# KiCad board EVT-PCB.kicad_pcb
title: EVT-PCB; date: 2024-04-17; company: MQuero
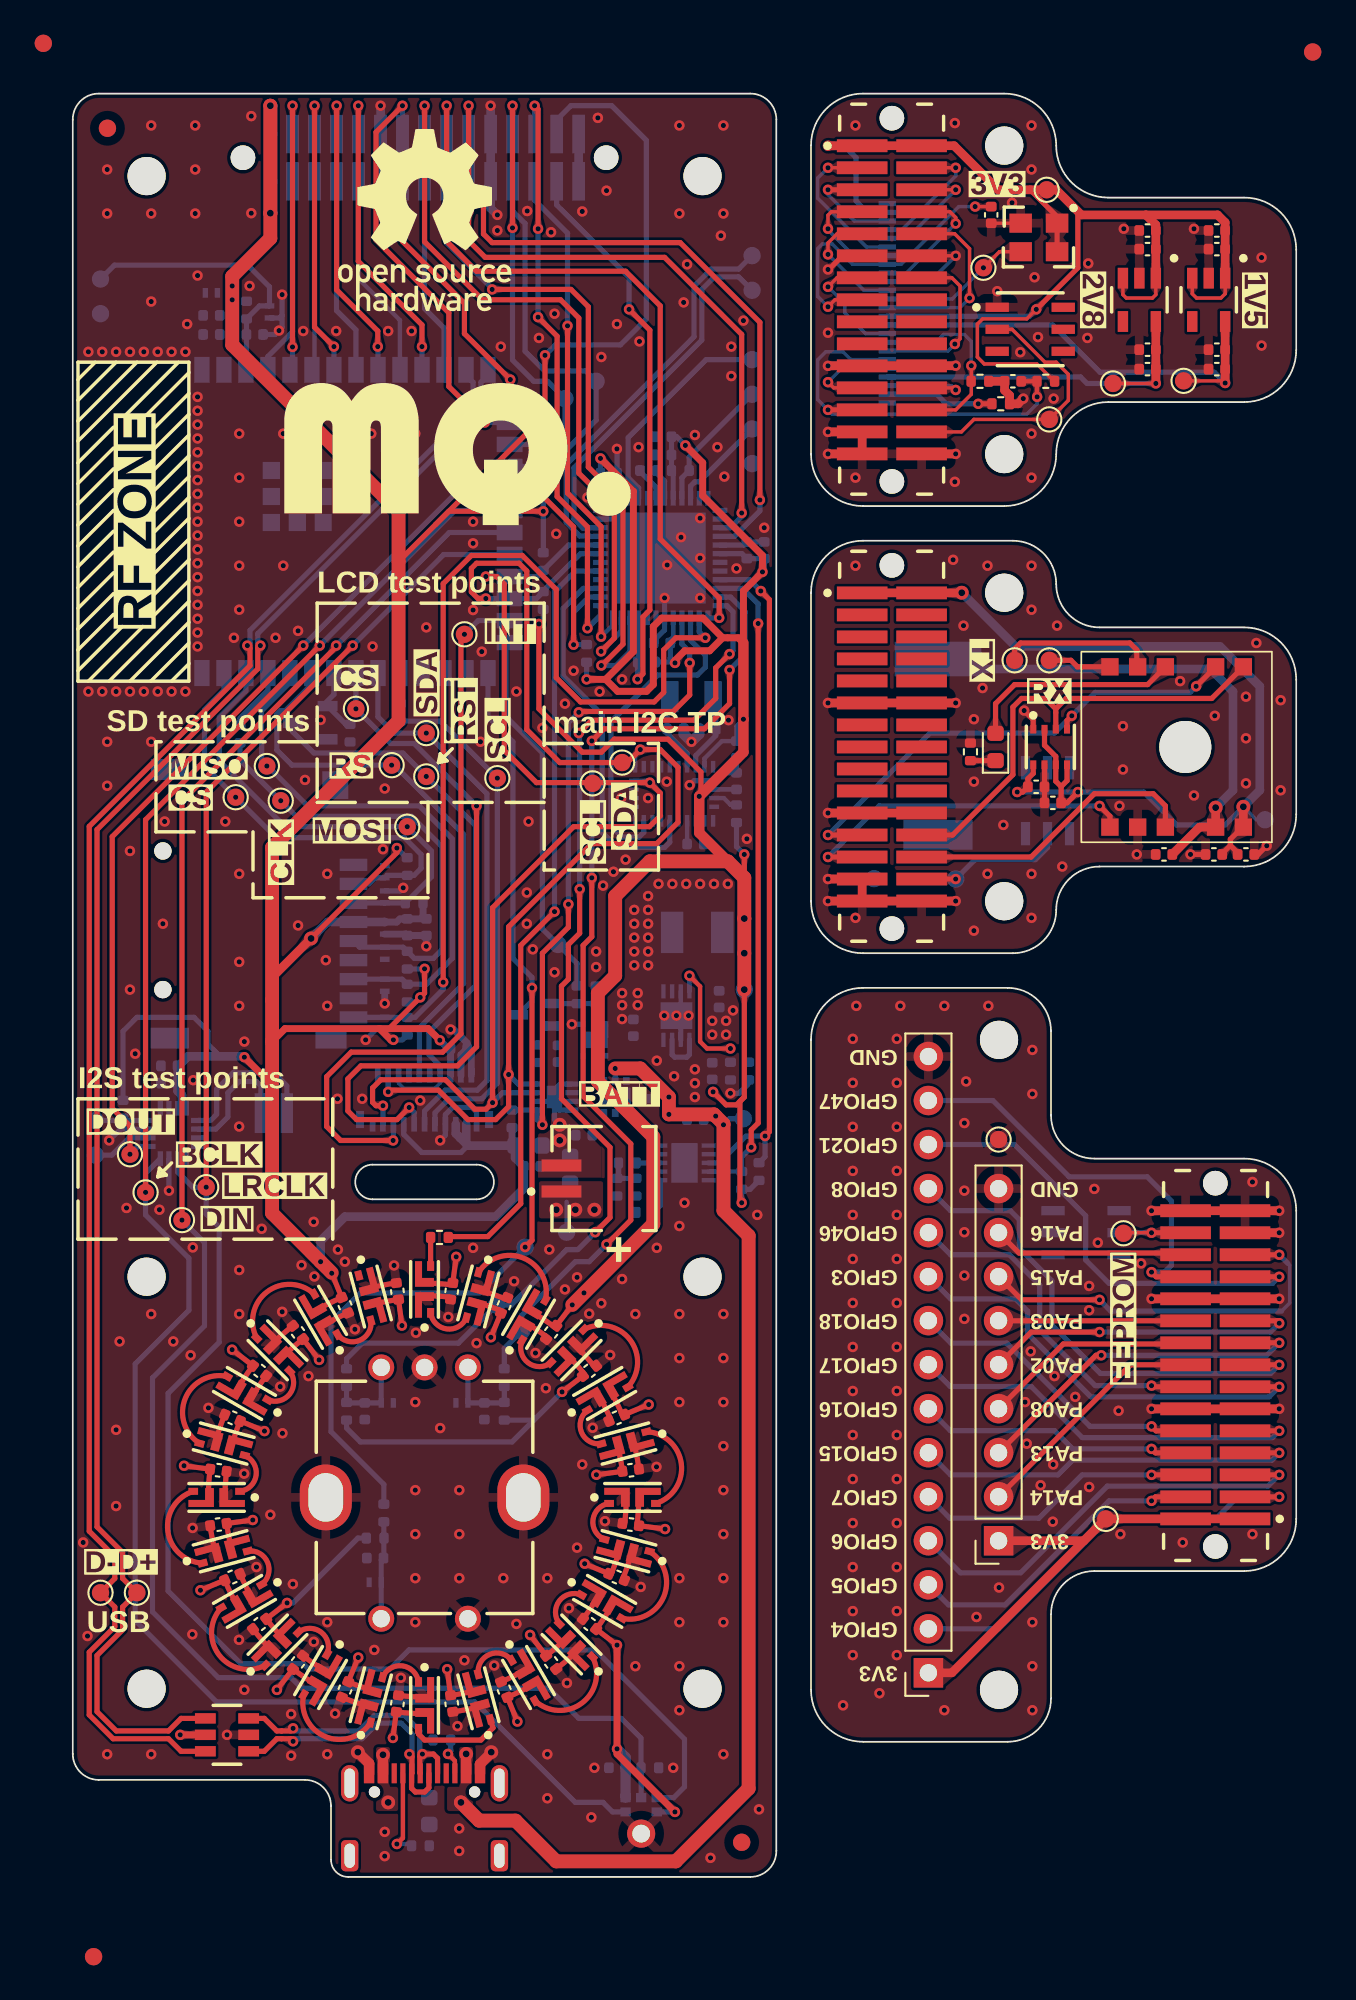
[diagram p0: board, top side]
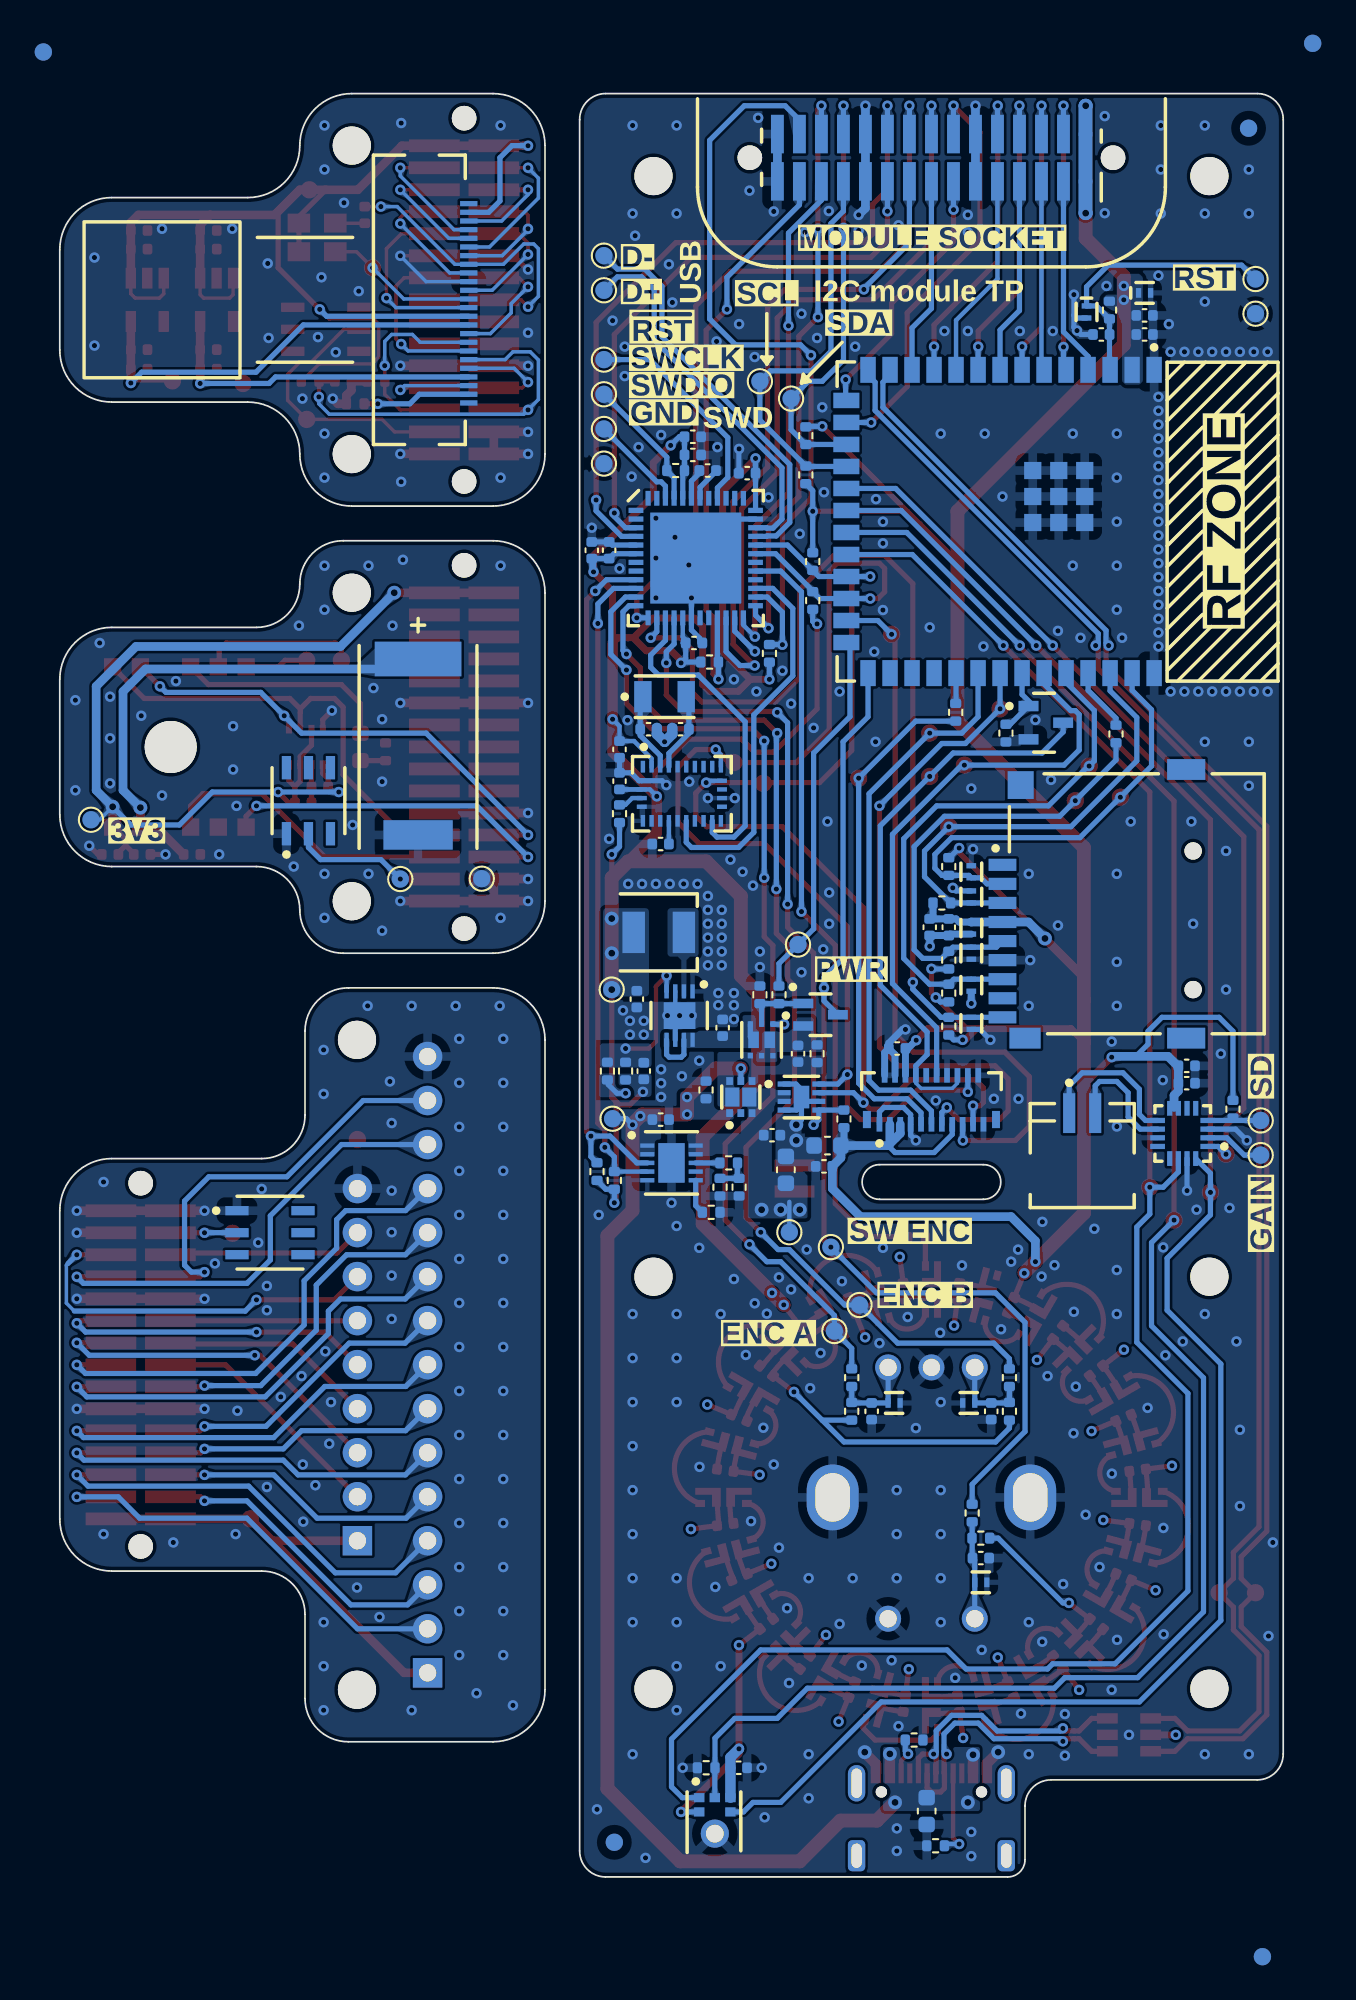
[diagram p1: board, bottom side, seen from below]

Outline 70.6 x 102.9 mm; copper layers: Top, In1.Cu, In2.Cu, Bottom. Coordinates in mm from the lower left corner of the outline.
Outline path: 0,101.4 0,7.1 arc(0.44,6.04) 1.5,5.6 13.4,5.6 arc(14.46,5.16) 14.9,4.1 14.9,1 arc(15.19,0.29) 15.9,0 39.1,0 arc(40.16,0.44) 40.6,1.5 40.6,101.4 arc(40.16,102.46) 39.1,102.9 1.5,102.9 arc(0.44,102.46) 0,101.4 ; 17.3,39.1 arc(16.3,40.1) 17.3,41.1 23.3,41.1 arc(24.3,40.1) 23.3,39.1 17.3,39.1 ; 42.6,99.9 42.6,82.1 arc(43.48,79.98) 45.6,79.1 53.75,79.1 arc(55.87,79.98) 56.75,82.1 arc(57.63,84.22) 59.75,85.1 67.6,85.1 arc(69.72,85.98) 70.6,88.1 70.6,93.9 arc(69.72,96.02) 67.6,96.9 59.75,96.9 arc(57.63,97.78) 56.75,99.9 arc(55.87,102.02) 53.75,102.9 45.6,102.9 arc(43.48,102.02) 42.6,99.9 ; 42.6,74.1 42.6,56.3 arc(43.48,54.18) 45.6,53.3 54.25,53.3 arc(56.02,54.03) 56.75,55.8 arc(57.48,57.57) 59.25,58.3 67.6,58.3 arc(69.72,59.18) 70.6,61.3 70.6,69.1 arc(69.72,71.22) 67.6,72.1 59.25,72.1 arc(57.48,72.83) 56.75,74.6 arc(56.02,76.37) 54.25,77.1 45.6,77.1 arc(43.48,76.22) 42.6,74.1 ; 42.6,48.3 42.6,10.8 arc(43.48,8.68) 45.6,7.8 53.95,7.8 arc(55.72,8.53) 56.45,10.3 56.45,15.15 arc(57.18,16.92) 58.95,17.65 67.6,17.65 arc(69.72,18.53) 70.6,20.65 70.6,38.45 arc(69.72,40.57) 67.6,41.45 58.95,41.45 arc(57.18,42.18) 56.45,43.95 56.45,48.8 arc(55.72,50.57) 53.95,51.3 45.6,51.3 arc(43.48,50.42) 42.6,48.3
Stack: Top 0.035mm / dielectric 0.196mm PP-7628 er 4.56 / In1.Cu 0.035mm / dielectric 1.03mm Core er 4.6 / In2.Cu 0.035mm / dielectric 0.196mm PP-7628 er 4.56 / Bottom 0.035mm

## Placement (name value [footprint] x y rotation side)
C201  10u  [C_0402_1005Metric]  8 90.1 180 bottom
C202  100n  [C_0402_1005Metric]  8 89 180 bottom
C203  1u  [C_0402_1005Metric]  10.5 89 0 bottom
C301  22u  [C_0603_1608Metric]  20.57 3.8 270 bottom
C302  15p  [C_0402_1005Metric]  36.9 46.5 90 bottom
C303  10u  [C_0402_1005Metric]  37.3 50.65 270 bottom
C304  10u  [C_0402_1005Metric]  32.35 49 90 bottom
C305  100n  [C_0402_1005Metric]  28 47.5 90 bottom
C401  100n  [C_0402_1005Metric]  29.5 42.8 180 bottom
C402  1u  [C_0402_1005Metric]  35.92 43.7 180 bottom
C403  22u  [C_0603_1608Metric]  28.7 40.8 90 bottom
C501  10u  [C_0402_1005Metric]  39.9 76.55 90 bottom
C502  100n  [C_0402_1005Metric]  38.9 76.55 90 bottom
C503  1u  [C_0402_1005Metric]  17.45 18.4 180 bottom
C504  100n  [C_0402_1005Metric]  21.87 33.8 262.5 top
C505  100n  [C_0402_1005Metric]  24.89 32.99 67.5 top
C506  100n  [C_0402_1005Metric]  27.61 31.42 232.5 top
C507  100n  [C_0402_1005Metric]  29.82 29.21 37.5 top
C508  100n  [C_0402_1005Metric]  31.39 26.49 202.5 top
C509  100n  [C_0402_1005Metric]  32.2 23.47 7.5 top
C510  100n  [C_0402_1005Metric]  32.2 20.33 172.5 top
C511  100n  [C_0402_1005Metric]  31.39 17.31 337.5 top
C512  100n  [C_0402_1005Metric]  29.82 14.59 142.5 top
C513  100n  [C_0402_1005Metric]  27.61 12.38 307.5 top
C514  100n  [C_0402_1005Metric]  24.89 10.81 112.5 top
C515  100n  [C_0402_1005Metric]  21.87 10 277.5 top
C516  100n  [C_0402_1005Metric]  18.73 10 82.5 top
C517  100n  [C_0402_1005Metric]  15.71 10.81 247.5 top
C518  100n  [C_0402_1005Metric]  12.99 12.38 52.5 top
C519  100n  [C_0402_1005Metric]  10.78 14.59 217.5 top
C520  100n  [C_0402_1005Metric]  9.21 17.31 22.5 top
C521  100n  [C_0402_1005Metric]  8.4 20.33 187.5 top
C522  100n  [C_0402_1005Metric]  8.4 23.47 352.5 top
C523  100n  [C_0402_1005Metric]  9.21 26.49 157.5 top
C524  100n  [C_0402_1005Metric]  10.78 29.21 322.5 top
C525  100n  [C_0402_1005Metric]  12.99 31.42 127.5 top
C526  100n  [C_0402_1005Metric]  15.71 32.99 292.5 top
C527  100n  [C_0402_1005Metric]  18.73 33.8 97.5 top
C528  1u  [C_0402_1005Metric]  33.21 81.15 180 bottom
C529  100n  [C_0402_1005Metric]  30.93 81 0 bottom
C530  100n  [C_0402_1005Metric]  34.07 82.05 180 bottom
C531  10u  [C_0402_1005Metric]  34.07 83.1 180 bottom
C532  100n  [C_0402_1005Metric]  34 71.2 180 bottom
C533  10n  [C_0402_1005Metric]  16.85 26.87 270 bottom
C534  10n  [C_0402_1005Metric]  23.75 26.87 270 bottom
C601  100n  [C_0402_1005Metric]  31.42 6.3 180 bottom
C701  22u  [C_0603_1608Metric]  26.3 42.2 0 bottom
C703  10u  [C_0402_1005Metric]  22.28 47.8 0 bottom
C705  10u  [C_0402_1005Metric]  26.5 41 0 bottom
C801  100n  [C_0402_1005Metric]  35.93 59.6 0 bottom
C802  100n  [C_0402_1005Metric]  38.3 65.06 270 bottom
C803  100n  [C_0402_1005Metric]  38.3 63.23 90 bottom
C804  22p  [C_0402_1005Metric]  36.62 66.22 180 bottom
C805  22p  [C_0402_1005Metric]  34.77 66.22 0 bottom
C901  10u  [C_0402_1005Metric]  20.4 54.8 270 bottom
C902  100n  [C_0402_1005Metric]  19.3 54.8 270 bottom
C1001  10u  [C_0402_1005Metric]  5.57 46.8 180 bottom
C1002  100n  [C_0402_1005Metric]  5.57 45.8 180 bottom
C1101  22p  [C_0402_1005Metric]  53 95.9 270 top
C1102  1u  [C_0402_1005Metric]  62.02 95 180 top
C1103  100n  [C_0402_1005Metric]  62.02 93.92 180 top
C1104  100n  [C_0402_1005Metric]  62.02 88.12 180 top
C1105  1u  [C_0402_1005Metric]  62.02 87 180 top
C1106  100n  [C_0402_1005Metric]  54.25 86.3 180 top
C1107  1u  [C_0402_1005Metric]  66.02 95 180 top
C1108  100n  [C_0402_1005Metric]  66.02 93.92 180 top
C1109  100n  [C_0402_1005Metric]  66.02 88.12 180 top
C1110  1u  [C_0402_1005Metric]  66.02 87 180 top
C1201  10u  [C_0402_1005Metric]  67.7 59 0 top
C1202  100n  [C_0402_1005Metric]  65.85 59 180 top
C1203  1u  [C_0402_1005Metric]  62.97 59 180 top
C1204  -  [DSK-3R3H224U-HL]  49.92 65.2 180 bottom
C1205  100n  [C_0402_1005Metric]  55.59 62.9 0 top
C1206  100n  [C_0402_1005Metric]  56.55 61.97 180 top
D201  -  [DESD3V3S1BL-7B]  8 91.4 180 bottom
D202  -  [DESD3V3S1BL-7B]  11.35 90.3 270 bottom
D301  -  [USBLC6-2SC6]  8.9 8.2 180 top
D302  -  [BAT54CWT1G]  26.7 49.75 180 bottom
D501  -  [SK68XX-EC3210F]  20.3 33.9 90 top
D502  -  [SK68XX-EC3210F]  23.41 33.49 255 top
D503  -  [SK68XX-EC3210F]  26.3 32.29 60 top
D504  -  [SK68XX-EC3210F]  28.79 30.39 225 top
D505  -  [SK68XX-EC3210F]  30.69 27.9 30 top
D506  -  [SK68XX-EC3210F]  31.89 25.01 195 top
D507  -  [SK68XX-EC3210F]  32.3 21.9 0 top
D508  -  [SK68XX-EC3210F]  31.89 18.79 165 top
D509  -  [SK68XX-EC3210F]  30.69 15.9 330 top
D510  -  [SK68XX-EC3210F]  28.79 13.41 135 top
D511  -  [SK68XX-EC3210F]  26.3 11.51 300 top
D512  -  [SK68XX-EC3210F]  23.41 10.31 105 top
D513  -  [SK68XX-EC3210F]  20.3 9.9 270 top
D514  -  [SK68XX-EC3210F]  17.19 10.31 75 top
D515  -  [SK68XX-EC3210F]  14.3 11.51 240 top
D516  -  [SK68XX-EC3210F]  11.81 13.41 45 top
D517  -  [SK68XX-EC3210F]  9.91 15.9 210 top
D518  -  [SK68XX-EC3210F]  8.71 18.79 15 top
D519  -  [SK68XX-EC3210F]  8.3 21.9 180 top
D520  -  [SK68XX-EC3210F]  8.71 25.01 345 top
D521  -  [SK68XX-EC3210F]  9.91 27.9 150 top
D522  -  [SK68XX-EC3210F]  11.81 30.39 315 top
D523  -  [SK68XX-EC3210F]  14.3 32.29 120 top
D524  -  [SK68XX-EC3210F]  17.19 33.49 285 top
D525  -  [DESD3V3S1BL-7B]  22.45 27.35 180 bottom
D526  -  [DESD3V3S1BL-7B]  18.15 27.35 0 bottom
D527  -  [DESD3V3S1BL-7B]  17.45 17 180 bottom
D901  -  [DESD3V3S1BL-7B]  18 54.75 270 bottom
D902  -  [DESD3V3S1BL-7B]  18 49.25 270 bottom
D903  -  [DESD3V3S1BL-7B]  18 53.3 270 bottom
D904  -  [DESD3V3S1BL-7B]  18 56.55 90 bottom
D905  -  [DESD3V3S1BL-7B]  18 51.45 270 bottom
D906  -  [DESD3V3S1BL-7B]  18 58 90 bottom
D1201  LED  [LED_0603_1608Metric]  53.25 65.2 90 top
E501  -  [PEC11R-4215F-S0024]  20.3 21.9 180 top
FID101  Fiducial  [Fiducial_1mm_Mask2mm]  -1.7 105.8 0 top
FID102  Fiducial  [Fiducial_1mm_Mask2mm]  71.55 105.3 0 top
FID103  Fiducial  [Fiducial_1mm_Mask2mm]  -1.7 105.8 180 bottom
FID104  Fiducial  [Fiducial_1mm_Mask2mm]  2 100.9 0 top
FID105  Fiducial  [Fiducial_1mm_Mask2mm]  38.6 2 0 top
FID106  Fiducial  [Fiducial_1mm_Mask2mm]  71.55 105.3 180 bottom
FID107  Fiducial  [Fiducial_1mm_Mask2mm]  1.2 -4.6 0 top
FID108  Fiducial  [Fiducial_1mm_Mask2mm]  1.2 -4.6 180 bottom
FID109  Fiducial  [Fiducial_1mm_Mask2mm]  2 100.9 180 bottom
FID110  Fiducial  [Fiducial_1mm_Mask2mm]  38.6 2 180 bottom
G***  -  [LOGO]  22.2 82.1 0 top
G***#2  -  [LOGO]  20.3 95.6 0 top
H101  MountingHole  [MountingHole_2.2mm_M2]  4.26 98.14 0 top
H102  MountingHole  [MountingHole_2.2mm_M2]  36.34 98.14 0 top
H103  MountingHole  [MountingHole_2.2mm_M2]  36.34 34.63 0 top
H104  MountingHole  [MountingHole_2.2mm_M2]  36.34 10.86 0 top
H105  MountingHole  [MountingHole_2.2mm_M2]  4.26 10.86 0 top
H106  MountingHole  [MountingHole_2.2mm_M2]  4.26 34.63 0 top
H1101  MountingHole  [MountingHole_2.2mm_M2]  53.75 99.9 90 bottom
H1102  MountingHole  [MountingHole_2.2mm_M2]  53.75 82.1 90 bottom
H1201  MountingHole  [MountingHole_2.2mm_M2]  53.75 74.1 270 top
H1202  MountingHole  [MountingHole_2.2mm_M2]  53.75 56.3 270 top
H1301  MountingHole  [MountingHole_2.2mm_M2]  53.45 10.8 180 top
H1302  MountingHole  [MountingHole_2.2mm_M2]  53.45 48.3 180 top
IC501  -  [ATSAMD21G18A-MUT]  33.9 76.1 180 bottom
J101  SFC-115-T2-F-D-A-K  [SFC-115-T2-F-D-A]  20.3 99.2 180 bottom
J301  -  [USB4105-GF-A]  20.3 2.3 0 top
J401  -  [S2B-ZR-SM4A-TF]  30.65 40.3 270 top
J701  -  [2-2328724-1]  20.3 44.53 0 bottom
J901  MSD-1-A  [MSD1A]  8.7 56.15 90 bottom
J1001  -  [S2B-ZR-SM4A-TF]  11.6 41.62 0 bottom
J1101  -  [TFC-115-02-F-D-A]  47.27 91 270 top
J1201  -  [TFC-115-02-F-D-A]  47.27 65.2 270 top
J1302  Conn_01x09  [PinSocket_1x09_P2.54mm_Vertical]  53.42 19.4 180 top
J1303  -  [TFC-115-02-F-D-A]  65.93 29.55 90 top
J1304  Conn_01x15  [PinSocket_1x15_P2.54mm_Vertical]  49.38 11.78 180 top
L301  1µH  [LQH44PN1R0MPRL]  36.03 54.5 0 bottom
M601  -  [ICS-43434]  32.8 3.21 270 bottom
Q101  -  [BSS138-7-F]  13.8 66.6 180 bottom
Q301  -  [SIA527DJ-T1-GE3]  30.1 48.3 0 bottom
R101  2K2  [R_0402_1005Metric]  27.15 75.9 270 bottom
R102  2K2  [R_0402_1005Metric]  27.15 73.65 90 bottom
R103  2K2  [R_0402_1005Metric]  27.55 80.9 90 bottom
R104  2K2  [R_0402_1005Metric]  27.55 83.16 270 bottom
R105  10k  [R_0402_1005Metric]  16 66 270 bottom
R107  2k2  [R_0402_1005Metric]  29.65 70.6 90 bottom
R108  10k  [R_0402_1005Metric]  33.1 70.1 180 bottom
R109  22R  [R_0402_1005Metric]  18.9 67.2 90 bottom
R110  22R  [R_0402_1005Metric]  9.65 65.95 90 bottom
R201  10k  [R_0402_1005Metric]  10.02 90.41 270 bottom
R301  10k  [R_0402_1005Metric]  33.31 45.41 90 bottom
R302  5.1k  [R_0402_1005Metric]  21.3 7.9 180 bottom
R303  5.1k  [R_0402_1005Metric]  20.06 1.8 0 bottom
R304  220k  [R_0402_1005Metric]  37.95 46.5 90 bottom
R305  48k7  [R_0402_1005Metric]  39 46.5 270 bottom
R306  100k  [R_0402_1005Metric]  26.9 47.5 270 bottom
R308  330  [R_0402_1005Metric]  29.1 50.9 90 bottom
R309  1M  [R_0402_1005Metric]  30.2 50.9 90 bottom
R401  2k  [R_0402_1005Metric]  33.01 38.35 0 bottom
R402  10k  [R_0402_1005Metric]  25.35 43.74 90 bottom
R403  10k  [R_0402_1005Metric]  39.6 40.7 90 bottom
R404  10k  [R_0402_1005Metric]  38.6 40.19 90 bottom
R405  1k  [R_0402_1005Metric]  32 41.2 180 bottom
R406  150k  [R_0402_1005Metric]  32.5 39.8 270 bottom
R407  10k  [R_0402_1005Metric]  31.4 39.8 270 bottom
R501  1k  [R_0402_1005Metric]  35.06 81.15 0 bottom
R502  470  [R_0402_1005Metric]  21.16 36.9 180 top
R503  10k  [R_0402_1005Metric]  17.95 21 90 bottom
R504  10k  [R_0402_1005Metric]  24.9 28.81 90 bottom
R505  10k  [R_0402_1005Metric]  15.8 28.81 90 bottom
R506  10k  [R_0402_1005Metric]  17.45 19.55 180 bottom
R507  10k  [R_0402_1005Metric]  15.8 26.87 270 bottom
R508  10k  [R_0402_1005Metric]  24.9 26.87 270 bottom
R601  100k  [R_0402_1005Metric]  33.3 6.3 0 bottom
R801  10k  [R_0402_1005Metric]  38.3 61.35 90 bottom
R901  47k  [R_0402_1005Metric]  19.3 49.09 90 bottom
R902  47k  [R_0402_1005Metric]  19.3 52.9 90 bottom
R903  47k  [R_0402_1005Metric]  19.7 56.2 180 bottom
R904  47k  [R_0402_1005Metric]  19.3 51 90 bottom
R905  47k  [R_0402_1005Metric]  19.3 58.3 270 bottom
R1001  620k  [R_0402_1005Metric]  2.9 44.3 270 bottom
R1101  10k  [R_0402_1005Metric]  56.15 86.3 180 top
R1102  10k  [R_0402_1005Metric]  52.35 86.3 180 top
R1103  0  [R_0402_1005Metric]  53.55 85 180 top
R1201  330  [R_0402_1005Metric]  51.8 64.92 270 top
TP101  TestPoint  [TestPoint_Pad_D1.0mm]  30 63.1 0 top
TP102  TestPoint  [TestPoint_Pad_D1.0mm]  31.7 64.3 0 top
TP103  TestPoint  [TestPoint_Pad_D1.0mm]  30.2 86.3 180 bottom
TP104  TestPoint  [TestPoint_Pad_D1.0mm]  28.4 85.3 180 bottom
TP105  TestPoint  [TestPoint_Pad_D1.0mm]  38.75 51.2 180 bottom
TP106  TestPoint  [TestPoint_Pad_D1.0mm]  1.6 16.4 180 top
TP107  TestPoint  [TestPoint_Pad_D1.0mm]  3.7 16.4 180 top
TP108  TestPoint  [TestPoint_Pad_D1.0mm]  3.3 41.7 0 top
TP109  TestPoint  [TestPoint_Pad_D1.0mm]  4.2 39.5 0 top
TP110  TestPoint  [TestPoint_Pad_D1.0mm]  6.3 37.9 0 top
TP111  TestPoint  [TestPoint_Pad_D1.0mm]  7.7 39.8 0 top
TP112  TestPoint  [TestPoint_Pad_D1.0mm]  22.6 71.7 0 top
TP113  TestPoint  [TestPoint_Pad_D1.0mm]  28 53.8 180 bottom
TP114  TestPoint  [TestPoint_Pad_D1.0mm]  26.1 36.34 180 bottom
TP115  TestPoint  [TestPoint_Pad_D1.0mm]  24.5 63.4 0 top
TP116  TestPoint  [TestPoint_Pad_D1.0mm]  20.4 66 0 top
TP117  TestPoint  [TestPoint_Pad_D1.0mm]  16.34 67.4 0 top
TP118  TestPoint  [TestPoint_Pad_D1.0mm]  20.4 63.5 0 top
TP119  TestPoint  [TestPoint_Pad_D1.0mm]  18.4 64.15 0 top
TP120  TestPoint  [TestPoint_Pad_D1.0mm]  11.2 64.1 0 top
TP121  TestPoint  [TestPoint_Pad_D1.0mm]  9.4 62.3 0 top
TP122  TestPoint  [TestPoint_Pad_D1.0mm]  19.3 60.6 0 top
TP123  TestPoint  [TestPoint_Pad_D1.0mm]  12 62.1 0 top
TP201  TestPoint  [TestPoint_Pad_D1.0mm]  1.6 92.2 180 bottom
TP202  TestPoint  [TestPoint_Pad_D1.0mm]  1.6 90.2 180 bottom
TP301  TestPoint  [TestPoint_Pad_D1.0mm]  38.7 43.75 180 bottom
TP401  TestPoint  [TestPoint_Pad_D1.0mm]  28.5 37.2 180 bottom
TP501  TestPoint  [TestPoint_Pad_D1.0mm]  39.2 87.55 270 bottom
TP502  TestPoint  [TestPoint_Pad_D1.0mm]  39.2 93.55 180 bottom
TP503  TestPoint  [TestPoint_Pad_D1.0mm]  39.2 91.55 180 bottom
TP504  TestPoint  [TestPoint_Pad_D1.0mm]  39.2 85.55 270 bottom
TP505  TestPoint  [TestPoint_Pad_D1.0mm]  39.2 83.55 270 bottom
TP506  TestPoint  [TestPoint_Pad_D1.0mm]  25.9 31.5 180 bottom
TP507  TestPoint  [TestPoint_Pad_D1.0mm]  24.45 33 180 bottom
TP508  TestPoint  [TestPoint_Pad_D1.0mm]  39.2 81.55 180 bottom
TP1001  TestPoint  [TestPoint_Pad_D1.0mm]  1.3 41.65 270 bottom
TP1002  TestPoint  [TestPoint_Pad_D1.0mm]  1.3 43.65 270 bottom
TP1101  TestPoint  [TestPoint_Pad_D1.0mm]  60.03 86.17 0 top
TP1102  TestPoint  [TestPoint_Pad_D1.0mm]  52.55 92.85 0 top
TP1103  TestPoint  [TestPoint_Pad_D1.0mm]  64.1 86.32 0 top
TP1104  TestPoint  [TestPoint_Pad_D1.0mm]  56.2 97.35 0 top
TP1108  TestPoint  [TestPoint_Pad_D1.0mm]  56.35 84.1 0 top
TP1202  TestPoint  [TestPoint_Pad_D1.0mm]  54.35 70.2 0 top
TP1203  TestPoint  [TestPoint_Pad_D1.0mm]  56.35 70.2 0 top
TP1204  TestPoint  [TestPoint_Pad_D1.0mm]  68.8 61 180 bottom
TP1209  TestPoint  [TestPoint_Pad_D1.0mm]  46.25 57.6 180 bottom
TP1210  TestPoint  [TestPoint_Pad_D1.0mm]  50.95 57.58 180 bottom
TP1301  TestPoint  [TestPoint_Pad_D1.0mm]  59.61 20.66 180 top
TP1302  TestPoint  [TestPoint_Pad_D1.0mm]  53.42 42.55 180 top
TP1303  TestPoint  [TestPoint_Pad_D1.0mm]  60.63 37.14 180 top
U201  -  [ESP32-S3-WROOM-2]  7.45 78.21 270 bottom
U301  -  [NTLJF3117PT1G]  31.3 45 180 bottom
U302  -  [NCV6324BMTAATBG]  34.83 49.7 270 bottom
U401  -  [MAX17048G+T10]  27.8 45 180 bottom
U402  MCP73833T-FCI/MF  [MCP73833T]  35.3 41.2 180 bottom
U801  -  [BNO085]  34.7 62.5 90 bottom
U1001  -  [MAX98357AETE+T]  5.8 42.9 0 bottom
U1101  -  [TLV74328PDBVR]  61.55 91 270 top
U1102  OV5640  [FD5640]  64.7 91 90 bottom
U1103  -  [TLV74315PDBVR]  65.55 91 270 top
U1104  -  [DS28E07P+]  55.25 89.3 0 top
U1201  -  [PA1010D]  63.7 65.2 270 top
U1202  -  [BME280]  56.4 65.2 90 top
U1203  -  [DS28E07P+]  56.25 62.1 90 bottom
U1301  -  [DS28E07P+]  58.47 37.17 180 bottom
X801  9HT10-32.768KBZF-T  [9HT1032768KEZFT]  35.7 68.1 180 bottom
X1101  ASE-24.000MHZ-L-R-T  [ASE24576MHZLCT]  55.75 94.6 180 top

## Library data of the parts
C201-C203 C301 C302 C304 C305 C401-C403 C501-C534 C601 C701 C703 C705 C801-C805 C901 C902 C1001 C1002 C1101-C1110 C1201-C1203 C1205 C1206 = -: Description: Unpolarized capacitor; ki_fp_filters: C_*
C303 = -: Datasheet: https://search.murata.co.jp/Ceramy/image/img/A01X/G101/ENG/GRM188R60J106ME47-01.pdf; Description: CAP CER 10UF 6.3V X5R 0603; Part Number: GRM188R60J106ME47D; MQ PN: TFGC001
C1204 = -: Datasheet: https://mm.digikey.com/Volume0/opasdata/d220001/medias/docus/875/DS%2CDSK.pdf; Description: CAP 220MF -20% +80% 3.3V SMD; MQ PN: TFGC002
D201 D202 D525-D527 D901-D906 = -: Datasheet: https://www.diodes.com/assets/Datasheets/DESD3V3S1BL.pdf; Description: TVS DIODE 3.3VWM 7VC DFN1006-2; MQ PN: TFGD004; ki_fp_filters: X1-DFN1006-2_RH_DIO X1-DFN1006-2_RH_DIO-M X1-DFN1006-2_RH_DIO-L
D301 = -: Datasheet: https://www.st.com/content/ccc/resource/technical/document/datasheet/06/1d/48/9c/6c/20/4a/b2/CD00050750.pdf/files/CD00050750.pdf/jcr:content/translations/en.CD00050750.pdf; Description: TVS DIODE 5.25VWM 17VC SOT23-6; MQ PN: TFGD006
D302 = -: Datasheet: https://www.onsemi.com/pdf/datasheet/bat54cwt1-d.pdf; Description: DIODE ARR SCHOT 30V 200MA SC70-3; MQ PN: TFGD005
D501-D524 = -: Datasheet: https://cdn-shop.adafruit.com/product-files/4892/4892_SK68XX-EC3210F__REV.A.pdf; MQ PN: TFGD001
D1201 = -: Description: Light emitting diode; ki_fp_filters: LED* LED_SMD:* LED_THT:*
E501 = -: Datasheet: https://www.bourns.com/docs/product-datasheets/pec11r.pdf?sfvrsn=bb617cbf_12; Description: ROTARY ENCODER MECHANICAL 24PPR; MQ PN: TFGE001
FID101-FID110 = -: Description: Fiducial Marker; ki_fp_filters: Fiducial*
H101-H106 H1101 H1102 H1201 H1202 H1301 H1302 = -: Description: Mounting Hole without connection; ki_fp_filters: MountingHole*
IC501 = -: Datasheet: https://ww1.microchip.com/downloads/en/DeviceDoc/SAM-D21-DA1-Family-Data-Sheet-DS40001882H.pdf; Description: IC MCU 32BIT 256KB FLASH 48QFN; MQ PN: TFGIC015
J101 = -: Datasheet: https://mm.digikey.com/Volume0/opasdata/d220001/medias/docus/6129/sfc-1xx-xx-xx-d-xx-mkt.pdf; Description: CONN RCPT 30POS 0.05 GOLD SMD; MQ PN: TFGJ006
J301 = -: Datasheet: https://mm.digikey.com/Volume0/opasdata/d220001/medias/docus/5492/USB4105.pdf; Description: CONN RCP USB2.0 TYP C 24P SMD RA; MQ PN: TFGJ004
J401 J1001 = -: Datasheet: https://www.jst-mfg.com/product/pdf/eng/eZH.pdf; Description: CONN HEADER SMD R/A 2POS 1.5MM; MQ PN: TFGJ009
J701 = -: Datasheet: https://www.te.com/usa-en/product-2-2328724-1.datasheet.pdf; Description: CONN FPC BOTTOM 21POS 0.3MM R/A; MQ PN: TFGJ002; ki_fp_filters: CONN21_2-2328724-1_TEC
J901 = -: Datasheet: https://www.cuidevices.com/product/resource/msd-1-a.pdf; Description: MICRO SD CARD CONNECTOR, 9 POSIT; MQ PN: TFGJ003
J1101 J1201 J1303 = -: Datasheet: https://suddendocs.samtec.com/catalog_english/tfc.pdf; Description: CONN HEADER SMD 30POS 1.27MM; MQ PN: TFGJ005
J1302 = -: Description: Generic connector, single row, 01x09, script generated (kicad-library-utils/schlib/autogen/connector/); ki_fp_filters: Connector*:*_1x??_*
J1304 = -: Description: Generic connector, single row, 01x15, script generated (kicad-library-utils/schlib/autogen/connector/); ki_fp_filters: Connector*:*_1x??_*
L301 = -: Datasheet: https://search.murata.co.jp/Ceramy/image/img/P02/JELF243A-0190.pdf; Description: FIXED IND 1.0UH 4300MA NONAUTO; Part Number: LQH44PN1R0MPRL; MQ PN: TFGL001; ki_fp_filters: IND_LQH44PN_PR_MUR IND_LQH44PN_PR_MUR-M IND_LQH44PN_PR_MUR-L
M601 = -: Datasheet: https://invensense.tdk.com/wp-content/uploads/2016/02/DS-000069-ICS-43434-v1.2.pdf?ref_disty=digikey; Description: MICROPHONE MEMS DIGITAL I2S OMNI; MQ PN: TFGM001
Q101 = -: Datasheet: https://www.diodes.com/assets/Datasheets/BSS138.pdf; Description: MOSFET N-CH 50V 200MA SOT23-3; MQ PN: TFGQ004
Q301 = -: Datasheet: https://www.vishay.com/docs/64162/sia527dj.pdf; Description: MOSFET N/P-CH 12V 4.5A SC70-6; MQ PN: TFGQ003
R101-R105 R107-R110 R201 R301-R306 R308 R309 R401-R407 R501-R508 R601 R801 R901-R905 R1001 R1101-R1103 R1201 = -: Description: Resistor; ki_fp_filters: R_*
TP101-TP123 TP201 TP202 TP301 TP401 TP501-TP508 TP1001 TP1002 TP1101-TP1104 TP1108 TP1202-TP1204 TP1209 TP1210 TP1301-TP1303 = -: Description: test point; ki_fp_filters: Pin* Test*
U201 = -: Datasheet: https://www.espressif.com/sites/default/files/documentation/esp32-s3-wroom-2_datasheet_en.pdf; Description: 32 MB Octal flash & 8 MB Octal PSRAM; MQ PN: TFGU002
U301 = -: Datasheet: http://www.onsemi.com/pub/Collateral/NTLJF3117P-D.PDF; Description: MOSFET P-CH 20V 2.3A 6WDFN; MQ PN: TFGQ001
U302 = -: Datasheet: https://www.onsemi.com/pdf/datasheet/ncp6324-d.pdf; Description: IC REG BUCK ADJ 2A 8WDFN; MQ PN: TFGIC002; ki_fp_filters: WDFN8_2X2_ONS WDFN8_2X2_ONS-M WDFN8_2X2_ONS-L
U401 = -: Datasheet: https://www.analog.com/MAX17048/datasheet; Description: IC BATT MON LI-ION 1CELL 8TDFN; MQ PN: TFGIC013
U402 = -: Datasheet: https://ww1.microchip.com/downloads/en/DeviceDoc/22005b.pdf; Description: IC BATT CONTRL LI-ION 1CEL 10DFN; MQ PN: TFGIC001
U801 = -: Datasheet: https://www.ceva-ip.com/wp-content/uploads/2019/10/BNO080_085-Datasheet.pdf; Description: IMU ACCEL/GYRO/MAG I2C 32BIT; MQ PN: TFGIC004
U1001 = -: Datasheet: https://datasheets.maximintegrated.com/en/ds/MAX98357A-MAX98357B.pdf; Description: IC AMP CLASS D MONO 3.2W 16TQFN; MQ PN: TFGIC005
U1101 = -: Datasheet: https://www.ti.com/lit/ds/symlink/tlv743p.pdf?HQS=dis-dk-null-digikeymode-dsf-pf-null-wwe&ts=1710761150043&ref_url=https%253A%252F%252Fwww.ti.com%252Fgeneral%252Fdocs%252Fsuppproductinfo.tsp%253FdistId%253D10%2526gotoUrl%253Dhttps%253A%252F%252Fwww.ti.com%252Flit%252Fgpn%252Ftlv743p; Description: IC REG LINEAR 2.8V 300MA SOT23-5; MQ PN: TFGIC007
U1102 = -: Datasheet: https://cdn-learn.adafruit.com/assets/assets/000/118/306/original/ov5640_datasheet.pdf?1675869959; Description: OV5640 5M SENSOR, AUTO FOCUSING; MQ PN: TFGIC006
U1103 = -: Datasheet: https://www.ti.com/general/docs/suppproductinfo.tsp?distId=10&gotoUrl=https%3A%2F%2Fwww.ti.com%2Flit%2Fgpn%2Ftlv743p; Description: IC REG LINEAR 1.5V 300MA SOT23-5; MQ PN: TFGIC008
U1104 U1203 U1301 = -: Datasheet: https://www.analog.com/media/en/technical-documentation/data-sheets/DS28E07.pdf; Description: IC EEPROM 1KBIT 1-WIRE 6TSOC; MQ PN: TFGIC003; ki_fp_filters: 21-0382_D6+1_MXM 21-0382_D6+1_MXM-M 21-0382_D6+1_MXM-L
U1201 = -: Datasheet: https://cdn-learn.adafruit.com/assets/assets/000/084/295/original/CD_PA1010D_Datasheet_v.03.pdf?1573833002; Description: GPS; MQ PN: TFGIC009
U1202 = -: Datasheet: https://www.bosch-sensortec.com/media/boschsensortec/downloads/datasheets/bst-bme280-ds002.pdf; Description: SENSOR PRESSURE HUMIDITY TEMP; MQ PN: TFGIC010
X801 = -: Datasheet: http://www.txccrystal.com/images/pdf/9ht10.pdf; Description: CRYSTAL 32.7680KHZ 12.5PF SMD; MQ PN: TFGX001
X1101 = -: Datasheet: https://abracon.com/Oscillators/ASEseries.pdf; Description: XTAL OSC XO 24.0000MHZ CMOS SMD; MQ PN: TFGX002
